# Altium PCB SEC_3002_DZ&HL.PcbDoc (part 5 of 7)
Units mm, origin at the board's own origin, x right, y up, seen from the top; angles counter-clockwise.
Board outline 200 x 170 mm, 2 copper layers (Top Layer, Bottom Layer); 589 components, 413 nets, 1696 pads, 1215 vias.
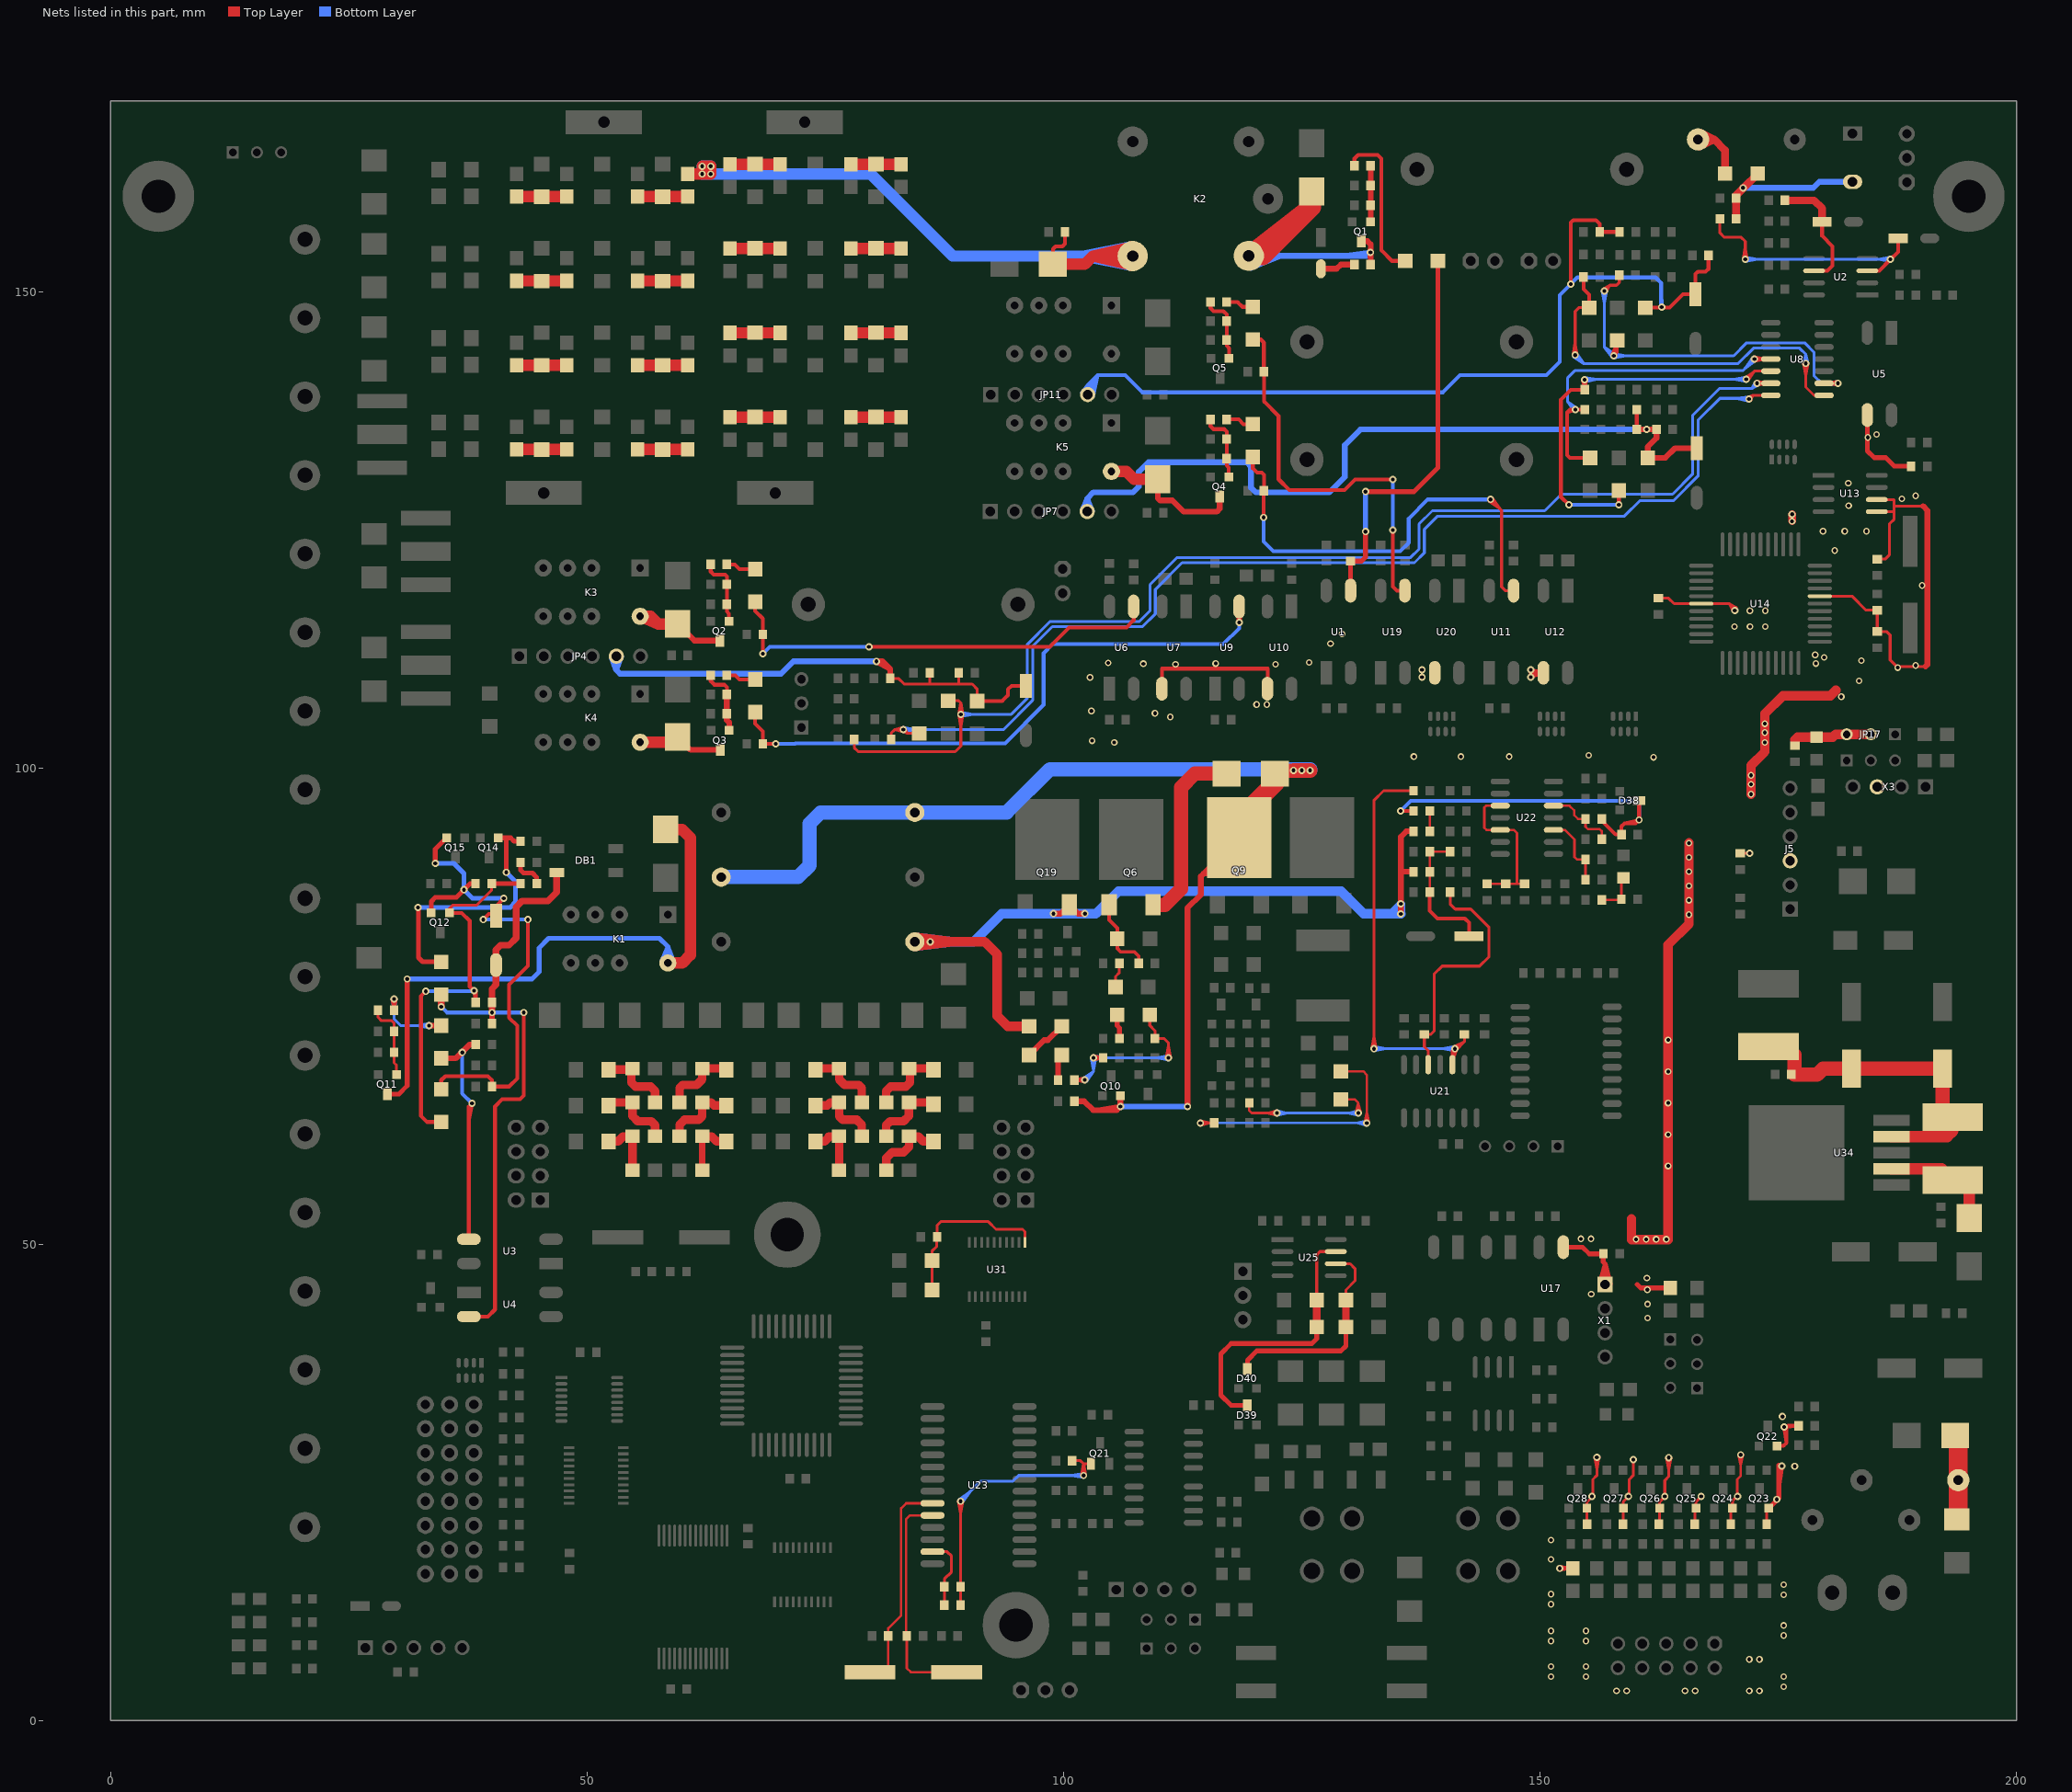
[diagram p5: the nets of this part, all layers, seen from the top]

## Via types
v1: diameter 0.762, hole 0.406, Top Layer to Bottom Layer, tented both sides, 786 vias
v2: diameter 0.7, hole 0.4, Top Layer to Bottom Layer, tented both sides, 375 vias
v3: diameter 1, hole 0.6, Top Layer to Bottom Layer, tented both sides, 41 vias
v4: diameter 0.9, hole 0.5, Top Layer to Bottom Layer, tented both sides, 4 vias
v5: diameter 0.8, hole 0.5, Top Layer to Bottom Layer, tented both sides, 4 vias
v6: diameter 1.016, hole 0.508, Top Layer to Bottom Layer, tented both sides, 3 vias
v7: diameter 0.9, hole 0.6, Top Layer to Bottom Layer, tented both sides, 1 vias
v8: diameter 0.762, hole 0.5, Top Layer to Bottom Layer, tented both sides, 1 vias

## Nets (pads, with @x,y where several pads share a name; then routed paths per layer and width w, separated by ;. In a path a pad name is that pad's centre, name@x,y a point inside that pad or via, vN(x,y) a via of type N, cw(c..) or ccw(c..) an arc to the next point about the centre after c; other vN are vias at no path point) (continued)
MCUGND: C19.2 C20.2 C22.2 C23.2 C24.2 C25.2 C28.2 C81.2 C82.2 J5.3 JP17.2 JP17.3 L26.1 L29.1 Q22.E Q23.E Q24.E Q25.E Q26.E Q27.E Q28.E R190.2 R191.2 R192.2 R193.2 R194.2 R195.2 R196.2 U5.3 U7.3 U10.3 U12.3 U13.5 U13.6 U14.6 U14.29 U17.3 U20.3 X1.1 X3.3 | length 248.8
  Top Layer w0.25: v1@170.697,23.556 170.697,25.3 171.056,25.659 v1(171.056,27.89) 171.056,26.759 ; v1@170.802,27.861 171.056,26.759 ; v1@171.311,27.861 171.056,26.759
  Top Layer w0.3: v1(152.074,15.968) L26.1@153.465,15.968 ; v1@152.095,15.738 153.355,15.968 v1@152.095,16.198 ; R196.2@154.916,20.632 Q28.E@154.916,22.266 154.916,22.913 155.548,23.545 155.548,25.304 155.962,25.718 v1(155.962,27.629) 155.962,26.348 ; v1@155.732,27.608 155.962,26.348 ; v1@156.193,27.608 155.962,26.348 ; R195.2@158.734,20.644 Q27.E@158.734,22.266 ; 158.734,22.919 Q27.E@158.734,22.266 ; v1(159.781,27.387) 159.781,25.718 159.367,25.304 159.367,23.603 158.734,22.97 Q27.E@158.734,22.266 ; C22.2@162.413,117.808 163.498,117.808 164.073,117.234 U14.6@166.919,117.234 169.849,117.234 ; R194.2@162.552,20.578 Q26.E@162.552,22.266 162.552,22.963 v1(163.093,23.504) 163.093,25.185 163.496,25.588 v1(163.496,27.588) 163.496,26.307 ; v1@163.266,27.567 163.496,26.307 ; v1@163.726,27.567 163.496,26.307 ; R193.2@166.244,20.613 Q25.E@166.244,22.139 ; Q25.E@166.371,22.266 166.371,22.963 v1(166.912,23.504) ; R192.2@170.014,20.613 Q24.E@170.014,22.091 ; Q24.E@170.189,22.266 170.189,23.048 v1@170.697,23.556 ; v1@170.255,116.504 169.849,117.234 ; v1@170.578,116.828 169.849,117.234 ; C25.2@170.998,91.034 v1(171.997,91.034) ; R191.2@173.784,20.613 Q23.E@173.784,22.043 ; U14.29@179.365,118.021 182.739,118.021 184.213,116.547 C19.2@185.392,116.547 C23.2@185.392,114.31 186.364,114.31 186.747,113.926 186.747,111.32 187.427,110.64 190.47,110.64 ; U13.5@185.344,126.892 187.126,126.892 ; U13.6@185.344,128.162 187.171,128.162 187.171,126.099 186.656,125.584 186.656,122.334 186.224,121.902 C20.2@185.392,121.902 ; 187.205,127.474 190.198,127.474 ; 169.849,117.234 170.439,116.643 169.849,117.234
  Top Layer w0.4: U7.3@110.319,108.309 110.319,110.412 121.412,110.412 U10.3@121.412,108.332 ; Q22.E@174.871,28.814 175.544,28.814 175.865,29.135 175.865,30.721 176.069,30.926 ; 175.865,29.162 v1(175.619,30.797) ; v1(149.019,109.527) U12.3@150.357,109.974 ; v1(149.019,109.527) 149.163,109.974 U12.3@150.357,109.974 ; v1(149.019,109.527) v1(149.019,110.282) U12.3@150.357,109.974 ; v1(175.619,30.797) 176.069,30.926 ; v1(175.619,30.797) R190.2@177.138,30.926 176.069,30.926 ; v1(175.619,30.797) 176.069,30.926
  Top Layer w0.5: U17.3@152.44,49.681 154.465,49.681 155.174,48.973 156.631,48.973 156.631,48.125 156.834,47.922 ; X1.1@156.288,45.838 156.834,47.922 ; X1.1@156.834,45.768 156.834,47.922 ; X1.1@157.379,45.838 156.834,47.922 ; 160.194,45.768 160.558,45.404 L29.1@163.664,45.404 ; Q23.E@174.007,22.266 175.073,23.332 v1@175.073,26.787 ; 175.073,24.76 v1(175.378,26.716) ; U5.3@184.354,137.032 184.354,133.273 185.069,132.558 186.277,132.558 187.176,131.658 C24.2@188.938,131.658
  Top Layer w0.6: 190.198,127.474 190.658,127.015 190.658,110.828 190.47,110.64
  Top Layer w0.8: v2(176.457,125.888) v1(176.457,126.618)
  Top Layer w1: 159.603,52.651 159.603,50.453 163.443,50.453 163.443,81.43 165.635,83.622 v2(165.635,92.103) ; v2(172.141,97.24) v2(172.141,98.277) v2(172.141,99.207) 172.141,100.244 173.593,101.696 v2(173.593,102.662) v2(173.593,103.699) v2(173.593,104.63) 173.593,105.67 175.483,107.559 180.461,107.559 181.041,108.14 ; 176.735,102.925 177.026,103.217 C82.2@179.039,103.217 180.715,103.217 181.019,103.521 ; 181.019,103.521 JP17.3@182.183,103.521 ; 181.019,103.521 JP17.3@182.183,103.521 ; JP17.3@182.183,103.521 JP17.2@184.723,103.521 JP17.3@182.183,103.521
  other v1: 174.852,23.204 155.457,23.504 159.275,23.504 170.73,23.504 176.739,26.679 175.444,31.898 137.616,109.527 137.616,110.282 170.439,116.519
  other v2: 158.034,3.109 159.093,3.109 165.224,3.109 166.284,3.109 171.968,3.109 173.028,3.109 175.583,3.535 151.161,4.595 154.815,4.595 175.583,4.595 151.161,5.654 154.815,5.654 171.968,6.407 173.028,6.407 151.161,8.338 154.815,8.338 175.583,8.913 151.161,9.398 154.815,9.398 175.583,9.972 151.161,12.201 175.583,13.191 151.161,13.26 175.583,14.251 151.161,16.895 151.161,18.935 161.297,42.24 161.297,43.704 155.372,44.749 161.257,45.206 161.218,46.432 160.072,50.51 161.131,50.51 162.191,50.51 163.251,50.51 154.28,50.558 155.34,50.558 163.443,58.2 163.443,61.506 163.443,64.812 163.443,68.118 163.443,71.423 165.635,84.594 165.635,86.095 165.635,87.597 165.635,89.099 165.635,90.601 161.909,101.104 136.758,101.183 141.701,101.184 146.763,101.183 155.107,101.302 105.32,102.661 102.983,102.84 111.19,105.336 109.586,105.722 102.911,105.968 120.252,106.643 121.335,106.65 181.619,107.468 183.488,109.124 102.767,109.491 187.534,110.516 189.432,110.753 111.755,110.857 122.245,110.871 108.375,110.929 115.957,110.951 178.953,110.951 104.672,111.001 125.764,111.069 183.736,111.251 179.823,111.584 178.873,111.86 128.007,113.031 129.225,114.041 170.411,114.826 172.032,114.826 173.654,114.826 172.031,116.488 173.654,116.488 190.104,119.137 180.93,122.815 179.704,124.831 181.978,124.831 184.252,124.831 182.393,127.52 187.969,128.232 189.432,128.549 182.354,129.893 184.41,134.678 185.319,134.994
NetC1_1: C1.1 D1.K K2.1C L27.2 | length 97.3
  Top Layer w0.4: D1.K@98.873,152.866 98.873,154.471 99.153,154.751 99.88,154.751 100.136,155.007 C1.1@100.136,156.244
  Top Layer w1.2: L27.2@60.553,162.34 v1(62.075,162.34) ; D1.K@98.873,152.866 102.201,152.866 103.06,153.724 ; K2.1C@107.133,152.744 103.06,153.724 ; K2.1C@107.133,154.705 103.06,153.724 ; v1(62.075,162.34) 62.075,163.143 v1(62.078,163.146) 62.96,163.146 62.963,163.143 v1(62.963,162.34) v1(62.075,162.34) ; 103.06,153.724 K2.1C@107.25,153.724 103.06,153.724
  Bottom Layer w1.2: K2.1C@107.156,152.741 102.062,153.724 ; K2.1C@107.156,154.707 102.062,153.724 ; v1(62.963,162.34) 62.966,162.343 v1(62.966,163.146) v1(62.078,163.146) 62.075,163.143 v1(62.075,162.34) v1(62.963,162.34) ; v1(62.963,162.34) 79.735,162.34 88.35,153.724 K2.1C@107.25,153.724 102.062,153.724
NetC2_2: C2.2 R1.2 | length 3.7
  Top Layer w0.6: C2.2@127.007,152.386 128.662,152.386 129.112,152.836 R1.2@130.522,152.836
NetC3_1: C3.1 Q1.B R4.2 R5.2 | length 5.9
  Top Layer w0.6: Q1.B@132.193,157.321 132.222,157.349 C3.1@132.222,159.038 R5.2@132.222,161.124 R4.2@132.222,163.211
NetC4_1: C4.1 R10.1 U2.3 | length 38.9
  Top Layer w0.3: R10.1@168.88,157.625 168.88,156.162 169.35,155.692 171.118,155.692 171.538,155.272 v1(171.538,153.378) ; v1@171.307,153.399 171.538,154.659 v1@171.768,153.399
  Top Layer w0.4: U2.3@184.352,152.177 185.603,152.177 ; C4.1@187.595,155.578 187.595,154.17 ; 185.603,152.177 187.595,154.17 ; 185.603,152.177 v1(186.779,153.393) 187.595,154.17
  Bottom Layer w0.3: v1@171.538,153.393 v1(186.779,153.393) 185.498,153.393 ; v1@171.558,153.148 172.819,153.378 v1@171.558,153.608 ; v1@186.759,153.162 185.498,153.393 ; v1@186.759,153.623 185.498,153.393
NetC5_1: C5.1 R14.2 U2.6 | length 12.9
  Top Layer w0.4: U2.6@178.764,152.177 180.158,152.177 180.696,152.715 180.696,154.745 179.608,155.833 C5.1@179.608,157.313
  Top Layer w0.8: R14.2@175.689,159.568 178.767,159.568 179.608,158.727 C5.1@179.608,157.313
NetC6_1: C6.1 C7.1 D6.K JP4.5 R18.1 R20.1 | length 60.4
  Top Layer w0.3: R18.1@81.804,109.385 82.661,109.385 83.26,108.786 85.88,108.786 ; R20.1@85.95,109.983 85.95,108.857 85.88,108.786 ; 88.991,108.841 C6.1@88.991,109.983 ; D6.K@90.938,107.006 90.938,108.253 90.404,108.786 85.88,108.786
  Top Layer w0.4: D6.K@90.938,107.006 93.551,107.006 94.16,107.615 94.16,108.242 94.532,108.615 C7.1@96.046,108.615
  Top Layer w0.6: R18.1@81.804,109.385 81.804,110.362 ; v1(80.343,111.174) 80.992,111.174 ; v1(80.343,111.174) 81.804,110.362 ; v1(80.343,111.174) 80.992,111.174 ; 80.992,111.174 81.804,110.362
  Bottom Layer w0.6: JP4.5@52.566,111.632 53.058,110.259 ; JP4.5@53.551,111.632 53.058,110.259 ; 78.162,111.174 v1(80.343,111.174) 71.639,111.174 70.349,109.884 53.433,109.884 53.058,110.259 ; 53.058,110.259 JP4.5@53.058,111.717 53.058,110.259
NetC9_1: C9.1 Q2.B R22.2 R23.2 | length 7.5
  Top Layer w0.4: R22.2@62.957,121.355 62.957,120.597 63.276,120.278 64.478,120.278 64.657,120.098 C9.1@64.657,119.266 R23.2@64.657,117.178 64.657,116.416 64.88,116.193 Q2.B@64.88,115.378
NetC10_1: C10.1 Q3.B R34.1 R36.1 | length 7.2
  Top Layer w0.4: R34.1@62.957,109.711 62.957,109.112 63.344,108.725 64.39,108.725 64.657,108.458 C10.1@64.657,107.704
  Top Layer w0.6: C10.1@64.657,107.704 R36.1@64.657,105.696 64.657,105.003 64.906,104.755 Q3.B@64.906,103.92
NetC11_1: C11.1 Q11.B R51.2 R52.2 | length 8.2
  Top Layer w0.3: R51.2@28.039,74.556 28.039,73.813 28.402,73.45 29.489,73.45 29.739,73.2 C11.1@29.739,72.346 R52.2@29.739,70.137 29.739,69.031 29.988,68.782 Q11.B@29.988,67.785
NetC12_2: C12.2 R56.2 | length 3.5
  Top Layer w0.5: C12.2@43.003,90.068 43.003,89.269 43.323,88.949 44.261,88.949 44.703,88.506 R56.2@44.703,87.843
NetC13_1: C13.1 C14.2 DB1.4 DZ1.A R62.2 U4.2 | length 74.6
  Top Layer w0.3: R62.2@40.01,73.168 R62.2@40.01,73.175
  Top Layer w0.4: U4.2@37.506,42.39 39.576,42.39 40.323,43.137 40.323,64.435 41.089,65.201 42.971,65.201 43.355,65.585 v1(43.355,74.315) 43.355,72.734
  Top Layer w0.6: R62.2@40.003,73.175 v1(40.003,74.315) R62.2@40.003,73.175
  Top Layer w0.7: v1(34.682,74.921) DZ1.A@34.682,76.2 ; v1(40.003,74.315) C13.1@40.01,75.377 ; v1@40.01,74.315 C13.1@40.01,75.377 ; DB1.4@46.8,89.023 46.8,86.92 45.905,86.025 43.179,86.025 42.54,85.387 42.54,82.12 41.805,81.385 40.913,81.385 40.432,80.904 C14.2@40.432,79.286 40.432,77.223 40.01,76.802 C13.1@40.01,75.377
  Bottom Layer w0.4: v1(34.682,74.921) 35.287,74.315 v1(40.003,74.315) ; 38.422,74.315 v1(40.003,74.315) ; 41.774,74.315 v1(43.355,74.315) v1(40.003,74.315)
NetC13_2: C13.2 D11.A Q12.B R55.2 R56.1 | length 45.6
  Top Layer w0.3: Q12.B@35.533,84.764 35.533,85.228 35.869,85.565 38.365,85.565 39.93,87.13 ; 39.978,87.13 R55.2@39.978,87.843
  Top Layer w0.4: D11.A@34.682,62.82 33.221,62.82 32.55,63.491 32.55,76.03 ; Q12.B@35.533,84.764 36.841,84.764 37.667,83.938 37.667,77.051 ; 32.55,76.03 v1(33.059,76.538) 32.55,76.03 ; 37.667,77.051 v1(38.118,76.6) ; 37.667,77.051 v1(38.118,76.6) ; v1(38.118,76.6) 38.31,76.408 C13.2@38.31,75.377 v1(38.118,76.6)
  Top Layer w0.5: R55.2@39.978,87.843 R56.1@43.003,87.843
  Bottom Layer w0.4: v1(33.059,76.538) 38.057,76.538 v1(38.118,76.6) 36.532,76.538
NetC14_1: C14.1 D11.K Q12.E Q15.E R54.1 R55.1 | length 59.1
  Top Layer w0.4: D11.K@34.682,66.249 34.682,67.213 35.112,67.643 39.579,67.643 40.01,67.213 R54.1@40.01,66.539 41.807,66.539 42.657,67.389 42.657,72.928 41.811,73.774 41.811,77.247 43.78,79.217 v1(43.78,84.069) ; v1(39.087,84.069) 39.674,84.655 C14.1@40.432,84.655 ; C14.1@40.432,84.486 C14.1@40.432,84.655 ; v1(41.245,86.311) 40.432,85.498 C14.1@40.432,84.655
  Top Layer w0.5: Q12.E@33.628,84.764 33.628,85.973 34.057,86.403 36.27,86.403 ; v1(34.059,89.978) 34.059,91.475 Q15.E@35.239,92.655 ; R55.1@38.278,87.843 37.71,87.843 v1(37.069,87.202) ; 36.27,86.403 v1(37.069,87.202) ; 36.27,86.403 v1(37.069,87.202)
  Bottom Layer w0.4: v1(39.087,84.069) v1(43.78,84.069)
  Bottom Layer w0.5: 35.94,89.978 v1(34.059,89.978) 35.992,89.978 37.069,88.901 v1(37.069,87.202) 37.96,86.311 v1(41.245,86.311)
NetC15_1: C15.1 C17.1 D16.K JP7.5 R40.1 R41.1 | length 89.8
  Top Layer w0.4: R40.1@160.156,135.529 C17.1@160.156,137.609
  Top Layer w0.6: 163.064,132.538 D16.K@161.303,132.538 161.303,133.701 162.219,134.617 R41.1@162.219,135.529 ; 163.161,132.538 164.172,133.55 C15.1@166.448,133.55 ; R41.1@162.219,135.529 R40.1@160.156,135.529 v1(161.182,135.518) R41.1@162.219,135.529
  Bottom Layer w0.6: JP7.5@101.986,126.992 102.478,128.275 ; JP7.5@102.478,126.901 102.478,128.275 ; JP7.5@102.969,126.992 102.478,128.275 ; 159.001,135.518 v1(161.182,135.518) 131.15,135.518 129.515,133.883 129.515,130.539 127.9,128.924 120.157,128.924 119.673,129.409 119.673,131.619 119.21,132.081 108.892,132.081 107.891,131.081 107.891,129.519 107.296,128.924 103.127,128.924 102.478,128.275
NetC18_1: C18.1 Q4.B R44.2 R45.2 | length 7.5
  Top Layer w0.4: R44.2@115.416,136.575 115.416,135.858 115.722,135.553 116.859,135.553 117.116,135.295 C18.1@117.116,134.516 R45.2@117.116,132.458 117.116,131.742 117.339,131.518 Q4.B@117.339,130.513
NetC29_1: C29.1 C31.1 D21.K JP11.5 R83.1 R84.1 | length 115.1
  Top Layer w0.4: v1(153.229,150.784) 153.229,157.229 153.496,157.497 155.864,157.497 156.269,157.092 C31.1@156.269,156.255 R83.1@158.345,156.255 ; D21.K@161.059,148.302 163.598,148.302 ; D21.K@161.182,148.302 v1(162.768,148.377) 163.598,148.302 ; R84.1@167.682,153.79 167.682,152.386 167.37,152.073 166.572,152.073 166.324,151.825 C29.1@166.324,149.721 165.017,149.721 163.598,148.302
  Bottom Layer w0.4: JP11.5@102.024,139.532 103.553,141.198 ; JP11.5@103.081,138.987 103.553,141.198 ; v1@162.716,148.428 162.716,150.894 162.133,151.478 153.922,151.478 v1(153.229,150.784) ; 162.716,149.961 v1(162.768,148.377) ; JP11.5@102.516,139.189 102.516,140.161 ; JP11.5@102.516,139.189 103.553,141.198 ; JP11.5@102.516,139.189 102.516,140.161 ; 102.516,140.161 103.563,141.208 106.456,141.208 108.247,139.417 139.801,139.417 141.592,141.208 150.659,141.208 152.064,142.613 152.064,149.62 ; 102.516,140.161 101.945,139.374 102.516,140.161 ; 102.516,140.161 103.086,139.374 102.516,140.161 ; 152.064,149.62 v1(153.229,150.784) ; 152.064,149.62 v1(153.229,150.784)
NetC32_1: C32.1 Q5.B R87.2 R88.2 | length 7.3
  Top Layer w0.4: R87.2@115.416,148.892 115.416,148.254 115.738,147.932 116.765,147.932 117.116,147.581 R88.2@117.116,146.909 C32.1@117.116,144.927 117.116,144.297 117.365,144.049 Q5.B@117.365,142.97
NetC34_1: C34.1 D33.K R112.2 R126.2 | length 39.3
  Top Layer w0.3: v1@102.206,67.002 R126.2@101.123,67.232 ; v1@102.206,67.462 R126.2@101.123,67.232 ; v1(103.132,69.552) C34.1@104.155,69.552 ; v1@103.158,69.322 C34.1@104.155,69.552 ; v1@103.158,69.781 C34.1@104.155,69.552 ; D33.K@109.047,74.071 109.047,72.954 109.59,72.411 R112.2@109.59,71.581 110.554,71.581 111.002,71.133 v1(111.002,69.552) ; v1@110.772,69.573 111.002,70.833 v1@111.232,69.573 ; R126.2@101.123,67.232 v1(102.23,67.232) R126.2@101.123,67.232
  Bottom Layer w0.3: v1@102.082,67.409 103.132,68.133 ; v1(102.23,67.232) 103.132,68.133 ; v1@102.408,67.084 103.132,68.133 ; v1@102.902,69.531 103.132,68.271 ; v1@103.152,69.322 104.413,69.552 v1@103.152,69.782 ; v1@103.362,69.531 103.132,68.271 ; v1@110.981,69.322 109.721,69.552 ; v1@110.981,69.782 109.721,69.552 ; 103.132,68.133 v1(103.132,69.552) ; 103.132,68.271 v1(103.132,69.552) ; v1(103.132,69.552) v1(111.002,69.552) 109.721,69.552
NetC35_1: C35.1 R124.2 U21.3 | length 62.6
  Top Layer w0.3: v1@132.33,70.527 132.56,71.787 v1@132.79,70.527 ; v1@132.56,70.506 132.56,96.557 133.593,97.591 R124.2@136.725,97.591 ; U21.3@140.8,68.842 v1@140.8,70.33 ; v1@140.828,70.53 U21.3@140.8,69.145 ; v1@140.937,70.703 142.07,71.263 ; v1@141.201,70.731 141.537,70.731 ; v1@141.213,70.335 142.07,71.263 ; v1@141.281,70.444 U21.3@140.8,69.145 ; C35.1@142.07,72.013 142.07,71.263 ; U21.3@140.8,69.145 v1(141.058,70.506) ; v1(141.058,70.506) 141.537,70.731 ; v1(141.058,70.506) 142.07,71.263 ; v1(141.058,70.506) 141.537,70.731 ; 141.537,70.731 142.07,71.263 ; 141.537,70.731 141.008,70.732 141.537,70.731 ; 141.537,70.731 141.199,70.324 141.537,70.731
  Bottom Layer w0.3: v1(132.56,70.506) v1(141.058,70.506) 139.777,70.506 ; v1@132.581,70.276 133.841,70.506 v1@132.581,70.736 ; v1@141.037,70.276 139.777,70.506 ; v1@141.037,70.736 139.777,70.506
NetC36_1: C36.1 R128.2 U21.5 | length 26.4
  Top Layer w0.3: U21.5@138.26,68.842 138.26,70.314 137.853,70.722 C36.1@137.853,72.013 138.538,72.013 138.882,72.357 138.882,78.337 139.726,79.181 143.652,79.181 144.647,80.176 144.647,83.239 142.716,85.17 141.098,85.17 140.568,85.699 R128.2@140.568,86.968
NetC37_2: C37.2 C38.1 R122.1 R129.2 R131.1 | length 14.4
  Top Layer w0.25: C37.2@138.425,86.968 R129.2@138.425,89.093 R122.1@138.425,91.217 R131.1@140.568,91.217
  Top Layer w0.4: C37.2@138.425,86.968 138.425,84.995 139.242,84.178 142.101,84.178 142.547,83.731 C38.1@142.547,82.323
NetC39_2: C39.2 L10.1 L11.2 | length 8
  Top Layer w0.9: L11.2@81.377,64.876 81.377,66.06 81.851,66.534 83.444,66.534 83.88,66.969 L10.1@83.88,68.316 ; L10.1@83.781,68.442 86.224,68.442 C39.2@86.351,68.316
NetC40_2: C40.2 L11.1 L12.2 | length 8
  Top Layer w0.9: L12.2@81.377,61.309 81.377,62.482 81.8,62.905 83.211,62.905 83.753,63.447 83.753,64.876 L11.1@83.781,64.876 86.138,64.876 C40.2@86.332,64.681
NetC41_2: C41.2 L9.1 L12.1 | length 8
  Top Layer w0.9: L9.1@81.405,57.743 81.405,59.04 82.007,59.642 83.2,59.642 83.781,60.223 L12.1@83.781,61.309 84.75,61.309 85.274,60.785 C41.2@86.332,60.785
NetC42_1: C42.1 L14.1 L15.2 | length 7.8
  Top Layer w0.9: C42.1@74.091,68.442 L14.1@76.443,68.442 76.443,67.299 77.023,66.718 78.488,66.718 78.819,66.387 L15.2@78.819,64.876
NetC43_1: C43.1 L15.1 L16.2 | length 8.1
  Top Layer w0.9: C43.1@73.905,64.55 75.196,64.55 75.522,64.876 L15.1@76.443,64.876 76.443,63.425 76.815,63.053 78.291,63.053 78.819,62.525 L16.2@78.819,61.309
NetC44_1: C44.1 L13.1 L16.1 | length 6.4
  Top Layer w0.9: C44.1@73.905,60.785 74.927,60.785 75.451,61.309 ; 75.373,61.309 L16.1@76.443,61.309 L13.1@76.443,57.743
NetC45_2: C45.2 L18.1 L19.2 | length 8.1
  Top Layer w0.9: C45.2@52.161,68.316 C45.2@52.239,68.316 L18.1@54.632,68.316 ; L18.1@54.758,68.442 L18.1@54.632,68.316 ; L19.2@57.134,64.876 57.134,66.06 56.661,66.534 55.067,66.534 54.632,66.969 L18.1@54.632,68.316
NetC46_2: C46.2 L19.1 L20.2 | length 8
  Top Layer w0.9: C46.2@52.239,64.55 52.564,64.876 L19.1@54.758,64.876 54.758,63.447 55.301,62.905 56.711,62.905 57.134,62.482 L20.2@57.134,61.309
NetC47_2: C47.2 L17.1 L20.1 | length 6.3
  Top Layer w0.9: C47.2@52.239,60.785 53.237,60.785 53.761,61.309 L20.1@54.758,61.309 L17.1@54.758,57.743
NetC48_1: C48.1 L22.1 L23.2 | length 7.9
  Top Layer w0.9: L23.2@59.693,64.876 59.693,66.387 60.023,66.718 61.488,66.718 62.069,67.299 L22.1@62.069,68.442 ; L22.1@61.991,68.442 C48.1@64.479,68.442
NetC49_1: C49.1 L23.1 L24.2 | length 8.1
  Top Layer w0.9: L24.2@59.693,61.309 59.693,62.525 60.22,63.053 61.696,63.053 62.069,63.425 L23.1@62.069,64.876 62.99,64.876 63.315,64.55 C49.1@64.606,64.55
NetC50_1: C50.1 L21.1 L24.1 | length 6.3
  Top Layer w0.7: L21.1@62.069,57.743 L24.1@62.069,61.309
  Top Layer w0.9: L24.1@62.069,61.309 63.06,61.309 63.584,60.785 C50.1@64.606,60.785
NetC51_1: C51.1 R140.2 | length 2.1
  Top Layer w0.25: R140.2@138.425,93.342 C51.1@138.425,95.466
NetC51_2: C51.2 D38.C R141.1 R144.1 | length 37.9
  Top Layer w0.4: v1(135.381,95.466) C51.2@136.725,95.466 ; R141.1@156.473,94.631 156.473,94.456 157.929,93 R144.1@158.552,93 158.552,93.858 158.871,94.177 ; D38.C@160.399,96.551 v1(160.399,94.527) ; 158.871,94.177 160.049,94.177 v1(160.399,94.527) ; 158.871,94.177 v1(160.399,94.527)
  Bottom Layer w0.4: v1(135.381,95.466) 136.434,96.519 159.924,96.519 160.399,96.043 v1(160.399,94.527)
NetC52_1: C52.1 R137.2 R138.2 U22.3 U22.5 | length 16.8
  Top Layer w0.25: R137.2@144.448,87.817 R138.2@146.406,87.817 147.258,87.817 C52.1@148.364,87.817 ; U22.3@145.826,96.025 144.332,96.025 144.158,95.851 144.158,93.709 144.381,93.485 U22.5@145.826,93.485 147.24,93.485 147.581,93.144 147.581,87.817
NetC53_2: C53.2 R139.2 U22.10 | length 7.8
  Top Layer w0.25: U22.10@151.414,93.485 152.606,93.485 153.617,92.474 153.617,90.635 153.87,90.382 C53.2@154.773,90.382 R139.2@154.773,88.258
NetC54_1: C54.1 R135.1 R142.1 | length 4.3
  Top Layer w0.25: R135.1@156.473,86.133 R142.1@158.465,86.133 ; R142.1@158.538,86.206 158.538,88.221 C54.1@158.774,88.458
NetC55_1: C55.1 L27.1 L31.2 | length 5.3
  Top Layer w1.2: L31.2@55.297,159.964 L27.1@60.553,159.964
NetC56_1: C56.1 R141.2 U22.12 | length 7.8
  Top Layer w0.25: U22.12@151.414,96.025 153.098,96.025 153.591,95.533 153.591,95.017 153.976,94.631 R141.2@154.773,94.631 154.773,93.811 155.02,93.565 156.263,93.565 156.473,93.355 C56.1@156.473,92.507
NetC59_1: C59.1 L45.1 L46.2 | length 5.3
  Top Layer w1.2: L46.2@42.603,159.964 L45.1@47.859,159.964
NetC60_1: C60.1 R150.2 U23.13 | length 7.7
  Top Layer w0.3: U23.13@86.24,17.715 87.777,17.715 88.23,17.262 88.23,15.587 87.485,14.842 R150.2@87.485,14.028 C60.1@87.485,12.095
NetC60_2: C60.2 Q21.1 R148.1 R150.1 | length 41.3
  Top Layer w0.3: v1@88.955,22.988 89.185,21.728 ; C60.2@89.185,12.095 R150.1@89.185,14.028 v1(89.185,23.009) 89.185,21.728 ; v1@89.415,22.988 89.185,21.728 ; R148.1@100.898,27.271 101.768,27.271 102.095,26.945 ; v1@101.865,25.737 102.095,26.945 ; v1(102.095,25.715) 102.095,26.945 ; v1@102.325,25.737 102.095,26.945 ; Q21.1@102.881,26.945 102.095,26.945
  Bottom Layer w0.3: v1@89.036,23.185 90.203,24.026 v1@89.361,22.859 ; v1(89.185,23.009) 91.301,25.125 94.688,25.125 95.278,25.715 v1(102.095,25.715) 100.814,25.715 ; v1@102.074,25.485 100.814,25.715 ; v1@102.074,25.945 100.814,25.715
NetC61_1: C61.1 L47.1 L48.2 | length 5.3
  Top Layer w1.2: L48.2@77.678,163.358 L47.1@82.934,163.358
NetC64_2: C64.2 U23.9 Y2.2 | length 21
  Top Layer w0.254: Y2.2@81.598,5.385 C64.2@81.598,8.862 81.598,9.687 82.948,11.037 82.948,22.273 83.47,22.795 U23.9@86.24,22.795
NetC65_2: C65.2 U23.10 Y2.1 | length 22.2
  Top Layer w0.254: U23.10@86.24,21.525 83.877,21.525 83.452,21.101 83.452,8.949 C65.2@83.539,8.862 83.539,5.476 83.953,5.062 Y2.1@86.943,5.062
NetC76_1: C76.1 C77.1 C80.1 L38.1 L39.2 U34.4 | length 33.1
  Top Layer w1.2: U34.4@186.88,61.294 192.723,61.294 193.313,61.884 L38.1@193.313,63.319
  Top Layer w1.5: L39.2@173.966,70.741 175.829,70.741 176.716,69.854 176.716,67.79 179.091,67.79 179.704,68.403 C76.1@182.682,68.403 C77.1@192.245,68.403 L38.1@192.245,64.387
NetC84_1: C84.1 L49.1 L50.2 | length 5.3
  Top Layer w1.2: L50.2@64.984,163.358 L49.1@70.24,163.358
NetC85_1: C85.1 L51.1 L52.2 | length 5.3
  Top Layer w1.2: L52.2@77.678,136.817 L51.1@82.934,136.817
NetC86_1: C86.1 L53.1 L54.2 | length 5.3
  Top Layer w1.2: L54.2@64.984,136.817 L53.1@70.24,136.817
NetC87_1: C87.1 L55.1 L56.2 | length 5.3
  Top Layer w1.2: L56.2@55.297,133.423 L55.1@60.553,133.423
NetC88_1: C88.1 L57.1 L58.2 | length 5.3
  Top Layer w1.2: L58.2@42.603,133.423 L57.1@47.859,133.423
NetC89_1: C89.1 L59.1 L60.2 | length 5.3
  Top Layer w1.2: L60.2@77.678,145.664 L59.1@82.934,145.664
NetC90_1: C90.1 L61.1 L62.2 | length 5.3
  Top Layer w1.2: L62.2@64.984,145.664 L61.1@70.24,145.664
NetC91_1: C91.1 L63.1 L64.2 | length 5.3
  Top Layer w1.2: L64.2@55.297,142.27 L63.1@60.553,142.27
NetC92_1: C92.1 L65.1 L66.2 | length 5.3
  Top Layer w1.2: L66.2@42.603,142.27 L65.1@47.859,142.27
NetC93_1: C93.1 L67.1 L68.2 | length 5.3
  Top Layer w1.2: L68.2@77.678,154.511 L67.1@82.934,154.511
NetC94_1: C94.1 L69.1 L70.2 | length 5.3
  Top Layer w1.2: L70.2@64.984,154.511 L69.1@70.24,154.511
NetC95_1: C95.1 L71.1 L72.2 | length 5.3
  Top Layer w1.2: L72.2@55.297,151.117 L71.1@60.553,151.117
NetC96_1: C96.1 L73.1 L74.2 | length 5.3
  Top Layer w1.2: L74.2@42.603,151.117 L73.1@47.859,151.117
NetD2_A: D2.A K2.3 Q1.C R1.1 | length 53
  Top Layer w0.6: Q1.C@131.241,155.289 131.894,155.289 132.222,154.961 ; 132.222,154.961 R1.1@132.222,152.836 v1(132.206,154.099) 132.222,154.961
  Top Layer w2: 126.008,158.876 K2.3@119.442,153.75 120.882,153.75 126.026,158.894 D2.A@126.026,160.497
  Bottom Layer w0.6: K2.3@119.442,153.75 131.856,153.75 v1(132.206,154.099) 129.716,153.75 ; K2.3@119.512,153.066 122.829,153.75 ; K2.3@119.512,154.434 122.829,153.75 ; K2.3@119.686,152.486 122.829,153.75 ; K2.3@119.686,155.014 122.829,153.75
NetD3_A: D3.A R6.1 U1.3 | length 45.8
  Top Layer w0.5: U1.3@130.117,118.602 R6.1@130.117,121.696 131.272,121.696 131.685,122.109 v1(131.685,124.797) 131.685,122.916 ; v1(131.685,128.997) 136.78,128.997 139.273,131.491 D3.A@139.273,153.216
  Bottom Layer w0.5: v1(131.685,124.797) v1(131.685,128.997) 131.685,127.116
NetD3_K: D3.K R4.1 | length 16.5
  Top Layer w0.4: R4.1@130.522,163.211 130.522,163.941 130.91,164.329 132.965,164.329 133.331,163.964 133.331,154.331 134.445,153.216 D3.K@135.844,153.216
NetD4_A: D4.A JP2.2 R7.1 R10.2 | length 20.7
  Top Layer w0.8: R10.2@170.58,157.625 R7.1@170.58,159.805 R7.1@170.58,160.112 ; R7.1@170.58,160.112 D4.A@172.847,162.38 v1(171.309,160.88) R7.1@170.58,160.112
  Bottom Layer w0.6: v1(171.309,160.88) 178.679,160.88 179.307,161.509 JP2.2@182.804,161.509
NetD4_K: D4.K L1.1 | length 9.2
  Top Layer w0.8: L1.1@166.575,165.96 168.293,165.96 ; L1.1@166.747,165.211 168.293,165.96 ; L1.1@166.747,166.709 168.293,165.96 ; D4.K@169.418,162.38 169.418,164.835 168.293,165.96
NetD5_1: D5.A K3.12 Q2.C | length 12.6
  Top Layer w0.6: D5.A@59.494,115.105 61.253,113.346 Q2.C@63.928,113.346
  Top Layer w1.2: D5.A@59.494,115.105 57.453,115.105 ; K3.12@55.553,115.9 56.657,115.9 ; K3.12@55.553,115.9 57.453,115.105 ; K3.12@55.553,115.9 56.657,115.9 ; 56.657,115.9 57.453,115.105
NetD7_A: D7.A R24.1 U6.3 | length 49.2
  Top Layer w0.4: D7.A@67.632,117.424 67.632,116.48 68.444,115.668 R24.1@68.444,114.002 v1(68.444,111.974) ; v1(79.567,112.692) 98.533,112.692 100.58,114.739 106.608,114.739 107.352,115.482 U6.3@107.352,116.937
  Bottom Layer w0.4: v1(68.444,111.974) 69.162,112.692 v1(79.567,112.692) 77.986,112.692
NetD7_K: D7.K R22.1 | length 3.2
  Top Layer w0.4: R22.1@64.657,121.355 65.48,121.355 65.982,120.853 D7.K@67.632,120.853
NetD8_K: D8.K R30.1 U8.6 | length 141.6
  Top Layer w0.3: R30.1@78.028,102.966 78.028,102.114 78.446,101.697 88.626,101.697 89.21,102.28 v1(89.21,105.621) ; D8.K@87.873,107.039 88.985,107.039 89.21,106.815 ; v1@88.98,105.6 89.21,104.34 ; v1@88.98,105.643 89.21,106.815 ; v1@89.44,105.6 89.21,104.34 ; v1@89.439,105.643 89.21,106.815 ; v1(172.785,140.37) U8.6@174.223,140.37 ; v1@172.806,140.14 174.066,140.37 v1@172.806,140.6 ; 89.21,104.34 v1(89.21,105.621) ; v1(89.21,105.621) 89.21,106.815
  Bottom Layer w0.3: v1(89.21,105.621) 94.51,105.621 96.201,107.312 96.201,112.971 98.598,115.368 107.955,115.368 109.071,116.484 109.071,119.232 111.915,122.076 136.416,122.076 137.304,122.964 137.304,125.594 138.695,126.986 150.49,126.986 152.227,128.723 163.903,128.723 166.035,130.855 166.035,137.024 168.827,139.817 172.232,139.817 ; v1@89.23,105.391 90.491,105.621 v1@89.23,105.851 ; v1@172.6,140.507 172.232,139.817 ; v1@172.923,140.184 172.232,139.817 ; 172.232,139.817 v1(172.785,140.37) 172.232,139.817
NetD9_A: D9.A K1.12 Q11.C | length 69.6
  Top Layer w0.5: Q11.C@29.035,65.753 30.232,65.753 31.109,66.631 v1(31.109,77.836) 31.109,75.955
  Top Layer w1.2: D9.A@58.235,93.531 59.96,93.531 60.828,92.664 60.828,80.352 59.983,79.508 K1.12@58.463,79.508
  Bottom Layer w0.5: v1(31.109,77.836) 44.203,77.836 44.959,78.592 44.959,81.101 45.958,82.1 57.589,82.1 58.463,81.226 ; K1.12@57.823,79.632 58.463,81.226 ; K1.12@58.463,79.508 58.463,81.226 ; K1.12@59.103,79.632 58.463,81.226
NetD10_A: D10.A R53.1 U3.3 | length 31.2
  Top Layer w0.4: U3.3@37.58,50.512 37.58,64.452 v1(37.914,64.786) 37.58,63.086
  Top Layer w0.6: D10.A@34.682,69.51 36.203,69.51 ; R53.1@38.31,70.958 37.651,70.958 ; 36.203,69.51 37.651,70.958 ; 36.203,69.51 v1(36.889,70.119) 37.651,70.958
  Bottom Layer w0.4: 36.889,68.538 v1(36.889,70.119) 36.889,65.812 ; 36.889,65.812 v1(37.914,64.786) 36.889,65.812
NetD10_K: D10.K R51.1 | length 22.3
  Top Layer w0.3: v1@29.509,75.716 R51.1@29.739,74.556 ; v1@29.969,75.716 R51.1@29.739,74.556 ; v1(33.398,72.939) D10.K@34.682,72.939 ; v1@33.419,72.709 34.679,72.939 v1@33.419,73.169 ; R51.1@29.739,74.556 v1(29.739,75.738) R51.1@29.739,74.556
  Bottom Layer w0.3: v1@29.509,75.718 29.739,74.457 ; v1@29.969,75.718 29.739,74.457 ; v1@33.377,72.709 32.117,72.939 ; v1@33.377,73.169 32.117,72.939 ; 29.739,74.457 v1(29.739,75.738) 29.739,73.626 30.426,72.939 v1(33.398,72.939) 32.117,72.939
NetD12_A: D12.A R28.1 U8.7 | length 131.3
  Top Layer w0.3: R28.1@81.893,102.966 81.893,103.645 82.252,104.004 ; v1@83.054,103.808 83.592,103.61 ; v1@83.147,103.775 82.252,104.004 ; v1@83.147,104.233 82.252,104.004 ; v1@83.176,103.897 83.306,103.897 83.592,103.61 ; v1@83.365,104.136 83.592,103.61 ; D12.A@84.851,103.61 83.592,103.61 ; v1@171.804,138.9 172.323,139.1 ; v1(171.93,138.707) 172.323,139.1 ; v1@172.124,138.581 172.323,139.1 ; U8.7@174.223,139.1 172.323,139.1 ; 82.252,104.004 v1(83.176,104.004) ; 82.252,104.004 v1(83.176,104.004) ; v1(83.176,104.004) 83.592,103.61
  Bottom Layer w0.3: v1@83.147,103.897 v1@83.176,103.897 ; v1(83.176,104.004) 93.671,104.004 96.751,107.084 96.751,112.743 98.825,114.818 108.276,114.818 109.621,116.163 109.621,118.713 112.435,121.526 136.823,121.526 137.854,122.557 137.854,125.025 139.246,126.417 158.854,126.417 160.47,128.032 163.99,128.032 166.585,130.627 166.585,136.489 168.879,138.783 171.853,138.783 v1(171.93,138.707) 170.642,138.783 ; v1@83.197,103.774 84.457,104.004 v1@83.197,104.234 ; v1@171.896,138.478 170.642,138.783 ; v1@171.923,138.938 170.642,138.783
NetD13_A: D13.A K4.12 Q3.C | length 8.4
  Top Layer w0.6: D13.A@59.494,103.24 60.846,101.888 Q3.C@63.953,101.888
  Top Layer w1.2: K4.12@55.553,102.684 D13.A@58.938,102.684
NetD14_A: D14.A R35.1 U9.3 | length 66.1
  Top Layer w0.4: D14.A@67.632,105.842 67.632,104.64 68.444,103.829 R35.1@68.444,102.523 ; R35.1@68.444,102.523 v1(69.795,102.523) R35.1@68.444,102.523
  Top Layer w0.6: v1(118.421,115.267) U9.3@118.421,116.937
  Bottom Layer w0.4: v1(69.795,102.523) 71.824,102.523 71.863,102.562 93.855,102.562 97.901,106.608 97.901,112.036 98.844,112.979 116.756,112.979 118.421,114.644 ; 118.421,114.644 v1(118.421,115.267) 118.421,114.644
NetD14_K: D14.K R34.2 | length 3.2
  Top Layer w0.4: R34.2@64.657,109.711 65.539,109.711 65.98,109.271 D14.K@67.632,109.271
NetD15_1: D15.A K5.12 Q4.C | length 15.7
  Top Layer w0.6: D15.A@109.882,130.295 109.882,128.313 110.123,128.072 111.421,128.072 111.703,127.791 112.608,126.885 116.071,126.885 116.387,127.2 Q4.C@116.387,128.481
  Top Layer w1.2: K5.12@105.018,131.12 106.567,131.12 107.391,130.295 D15.A@109.882,130.295
NetD17_A: D17.A R46.1 U11.3 | length 54.8
  Top Layer w0.3: v1@144.661,127.998 145.828,127.157 v1@144.986,128.324 ; v1(144.811,128.174) 145.968,127.017 145.968,118.99 146.356,118.602 U11.3@147.222,118.602
  Top Layer w0.4: D17.A@119.861,132.644 119.861,131.43 120.302,130.99 120.789,130.99 121.023,130.757 R46.1@121.023,129.091 120.983,129.052 v1(120.983,126.288)
  Bottom Layer w0.4: 120.983,124.707 v1(120.983,126.288) 120.983,123.766 122.004,122.745 135.333,122.745 136.221,123.633 136.221,126.181 138.215,128.174 v1(144.811,128.174) 143.23,128.174
NetD17_K: D17.K R44.1 | length 3
  Top Layer w0.4: R44.1@117.116,136.575 118.372,136.575 118.875,136.073 D17.K@119.861,136.073
NetD18_K: D18.K R66.1 U8.4 | length 47.3
  Top Layer w0.3: v1(172.499,142.91) U8.4@174.223,142.91 ; v1@172.52,142.68 173.78,142.91 v1@172.52,143.14
  Top Layer w0.4: R66.1@154.694,137.609 v1(153.72,137.609) ; D18.K@155.245,132.538 153.115,132.538 152.834,132.82 152.834,137.302 ; 152.834,137.302 153.14,137.609 ; 152.834,137.302 v1(153.72,137.609) ; 153.14,137.609 v1(153.72,137.609) ; 153.14,137.609 v1(153.72,137.609) ; 153.14,137.609 v1(153.72,137.609)
  Bottom Layer w0.3: v1@153.541,137.462 152.901,138.428 ; v1@153.866,137.787 152.901,138.428 ; v1@172.324,143.06 171.482,141.893 ; v1@172.649,142.734 171.482,141.893 ; 152.901,138.428 152.901,140.941 153.654,141.694 171.284,141.694 v1(172.499,142.91) 171.482,141.893 ; 152.901,138.428 v1(153.72,137.609) 152.901,138.428
NetD19_A: D19.A R64.1 U8.5 | length 58.1
  Top Layer w0.3: v1@154.451,140.724 R64.1@154.694,139.688 ; v1(154.68,140.752) R64.1@154.694,139.688 ; v1@154.694,140.752 R64.1@154.694,139.688 ; v1@154.91,140.73 R64.1@154.694,139.688 ; v1@171.496,140.953 172.509,141.64 ; v1(171.644,140.775) 172.509,141.64 ; v1@171.822,140.628 172.509,141.64 ; U8.5@174.223,141.64 172.509,141.64
  Top Layer w0.4: R64.1@154.694,139.688 153.235,139.688 152.184,138.636 152.184,128.455 ; v1(158.274,127.612) D19.A@158.274,129.109 ; 152.184,128.455 v1(153.027,127.612) 152.184,128.455
  Bottom Layer w0.3: v1@154.697,140.983 155.962,140.775 ; v1@154.703,140.752 v1(154.68,140.752) 155.962,140.775 ; v1@154.703,140.775 v1(171.644,140.775) 170.363,140.775 ; v1@154.705,140.523 155.962,140.775 ; v1@171.623,140.545 170.363,140.775 ; v1@171.623,141.005 170.363,140.775
  Bottom Layer w0.4: v1(153.027,127.612) v1(158.274,127.612) 156.693,127.612
NetD22_A: D22.A R89.1 U19.3 | length 46.7
  Top Layer w0.4: D22.A@119.857,144.961 120.687,144.961 121.018,144.63 R89.1@121.018,141.459 ; R89.1@121.023,141.581 121.023,138.452 122.556,136.919 122.556,130.293 123.694,129.155 129.475,129.155 130.583,130.263 v1(134.55,130.263) 132.969,130.263 ; 134.55,123.373 v1(134.55,124.954) 134.55,119.024 134.972,118.602 U19.3@135.819,118.602
  Bottom Layer w0.4: v1(134.55,124.954) v1(134.55,130.263) 134.55,128.682
NetD22_K: D22.K R87.1 | length 2.9
  Top Layer w0.4: R87.1@117.116,148.892 118.258,148.892 118.76,148.39 D22.K@119.857,148.39
NetD23_K: D23.K R95.1 U8.8 | length 51.9
  Top Layer w0.3: v1@153.452,143.351 153.682,144.611 v1@153.912,143.351 ; v1(153.682,143.33) 153.682,147.922 154.062,148.302 D23.K@155.151,148.302 ; v1@177.654,142.436 177.884,141.176 ; v1@178.114,142.436 177.884,141.176 ; U8.8@179.811,139.1 178.755,139.1 177.884,139.971 v1(177.884,142.457) 177.884,141.176
  Top Layer w0.4: R95.1@154.569,151.516 154.569,150.243 155.151,149.66 D23.K@155.151,148.302
  Bottom Layer w0.3: v1@153.533,143.152 154.6,142.411 ; v1(153.682,143.33) 154.6,142.411 ; v1@153.859,143.478 154.6,142.411 ; v1@177.654,142.485 177.884,143.415 ; v1(177.884,142.457) 177.884,143.415 ; v1@178.113,142.485 177.884,143.415 ; 154.6,142.411 170.745,142.411 172.395,144.061 177.238,144.061 177.884,143.415
NetD30_A: D30.A R93.1 U8.9 | length 65.4
  Top Layer w0.3: v1@156.606,150.237 157.313,150.652 ; v1@156.938,149.923 157.313,150.652 ; v1@157.52,143.323 D30.A@158.105,144.619 ; v1@157.965,143.204 D30.A@158.105,144.619 ; D30.A@158.105,144.873 158.105,143.613 v1(157.737,143.245) D30.A@158.105,144.619 ; R93.1@158.32,151.712 158.32,150.954 158.018,150.652 157.313,150.652 ; U8.9@179.811,140.37 v1(181.259,140.37) U8.9@179.978,140.37 ; v1@181.238,140.14 U8.9@179.978,140.37 ; v1@181.238,140.6 U8.9@179.978,140.37 ; 157.313,150.652 156.75,150.089 v1(156.75,150.056) 157.313,150.652
  Bottom Layer w0.3: v1@156.52,150.036 156.75,148.775 ; v1@156.98,150.036 156.75,148.775 ; v1@157.565,143.092 156.75,144.18 ; v1@157.758,143.015 159.018,143.245 v1@157.758,143.475 ; v1@157.881,143.426 156.75,144.18 ; v1@181.238,140.14 179.978,140.37 ; v1@181.238,140.6 179.978,140.37 ; 156.75,144.18 157.685,143.245 v1(157.737,143.245) ; 156.75,144.18 v1(156.75,150.056) 156.75,148.775 ; 156.75,144.18 v1(157.737,143.245) ; v1(157.737,143.245) 170.323,143.245 171.689,144.611 177.764,144.611 178.745,143.63 178.745,141.176 179.551,140.37 v1(181.259,140.37) 179.978,140.37
NetD31_A: D31.A Q6.E | length 19.7
  Top Layer w1.5: Q6.E@109.377,85.617 110.647,85.617 112.345,87.315 112.345,97.959 113.769,99.383 D31.A@117.099,99.383
NetD31_K: D31.K Q9.D Q10.E R101.1 R105.1 R106.1 | length 215.2
  Top Layer w0.6: R106.1@101.123,65.006 102.164,65.006 103.103,64.066 105.584,64.066 ; 103.661,64.066 v1(105.966,64.448) ; Q10.E@105.966,65.588 v1(105.966,64.448) ; v1(113.005,64.429) 113.005,85.293 114.397,86.685 114.397,88.608 114.685,88.897 ; Q9.D@115.356,88.897 114.685,88.897 ; Q9.D@118.449,92.66 114.685,88.897 ; 105.584,64.066 v1(105.966,64.448) ; 105.584,64.066 v1(105.966,64.448) ; 105.584,64.066 v1(105.966,64.448)
  Top Layer w1.5: D31.K@122.217,99.704 v1@125.89,99.704 ; D31.K@122.217,99.704 v1(124.132,99.737) ; D31.K@122.217,99.704 v1(124.999,99.737) ; D31.K@122.217,99.704 v1(124.999,99.737) ; D31.K@122.217,99.704 v1(125.866,99.737) ; D31.K@122.217,99.704 v1(125.866,99.737) ; D31.K@122.217,99.704 v1(125.866,99.737) ; v1(124.132,99.737) v1@125.89,99.704 ; v1(124.132,99.737) v1(124.999,99.737) ; v1(124.132,99.737) v1(124.999,99.737) ; v1(124.132,99.737) v1(125.866,99.737) ; v1(124.132,99.737) v1(125.866,99.737) ; v1(124.132,99.737) v1(125.866,99.737) ; v1(124.999,99.737) v1@125.89,99.704 ; v1(124.999,99.737) v1@125.89,99.704 ; v1(124.999,99.737) v1(125.866,99.737) ; v1(124.999,99.737) v1(125.866,99.737) ; v1(124.999,99.737) v1(125.866,99.737) ; v1(124.999,99.737) v1(125.866,99.737) ; v1(124.999,99.737) v1(125.866,99.737) ; v1(124.999,99.737) v1(125.866,99.737)
  Top Layer w2: Q9.D@118.449,92.66 118.449,94.661 D31.K@122.179,98.391
  Bottom Layer w0.6: v1(105.966,64.448) v1@112.986,64.448 ; 110.824,64.448 v1(113.005,64.429)
  Bottom Layer w1.5: R105.1@64.067,88.525 72.119,88.525 73.35,89.756 73.35,94.154 74.51,95.314 R101.1@84.387,95.314 ; 78.887,95.314 R101.1@84.387,95.314 ; 119.232,99.86 v1(124.132,99.737) ; 120.011,99.84 v1(124.999,99.737) ; 120.099,99.86 v1(124.999,99.737) ; 120.879,99.822 v1(125.866,99.737) ; 120.878,99.84 v1(125.866,99.737) ; 120.966,99.86 v1(125.866,99.737) ; R101.1@84.387,95.314 94.023,95.314 98.57,99.86 v1@125.866,99.86 ; v1(124.132,99.737) v1@125.866,99.86 ; v1(124.132,99.737) v1(124.999,99.737) ; v1(124.132,99.737) v1(124.999,99.737) ; v1(124.132,99.737) v1(125.866,99.737) ; v1(124.132,99.737) v1(125.866,99.737) ; v1(124.132,99.737) v1(125.866,99.737) ; v1(124.999,99.737) v1@125.866,99.86 ; v1(124.999,99.737) v1@125.866,99.86 ; v1(124.999,99.737) v1(125.866,99.737) ; v1(124.999,99.737) v1(125.866,99.737) ; v1(124.999,99.737) v1(125.866,99.737) ; v1(124.999,99.737) v1(125.866,99.737) ; v1(124.999,99.737) v1(125.866,99.737) ; v1(124.999,99.737) v1(125.866,99.737)
NetD32_K: D32.K R100.2 | length 34.7
  Top Layer w0.25: v1(114.354,62.715) R100.2@115.803,62.715 ; v1@114.383,62.461 115.485,62.715 v1@114.383,62.969 ; D32.K@129.108,68.14 131.44,68.14 131.82,67.761 v1(131.82,62.715) ; v1@131.565,62.744 131.82,63.846 v1@132.074,62.744
  Bottom Layer w0.25: v1(114.354,62.715) v1(131.82,62.715) 130.689,62.715 ; v1@131.791,62.461 130.689,62.715 ; v1@131.791,62.969 130.689,62.715
NetD33_A: D33.A R108.1 | length 2.6
  Top Layer w0.5: D33.A@105.618,74.071 105.618,72.935 105.855,72.698 R108.1@105.855,71.581
NetD34_K: D34.K R115.1 | length 26.6
  Top Layer w0.25: R115.1@119.487,64.831 119.487,64.018 119.742,63.763 v1(122.402,63.763) 121.271,63.763 ; v1@122.373,63.509 121.271,63.763 ; v1@122.373,64.018 121.271,63.763 ; D34.K@129.108,65.186 130.581,65.186 130.926,64.841 ; v1@130.672,63.794 130.926,64.841 ; v1(130.926,63.763) 130.926,64.841 ; v1@131.18,63.794 130.926,64.841
  Bottom Layer w0.25: v1(122.402,63.763) v1(130.926,63.763) 129.795,63.763 ; v1@122.431,63.509 123.533,63.763 v1@122.431,64.018 ; v1@130.897,63.509 129.795,63.763 ; v1@130.897,64.018 129.795,63.763
NetD35_K: D35.K R119.1 | length 2.7
  Top Layer w0.3: D35.K@105.447,76.996 105.447,78.101 105.855,78.509 R119.1@105.855,79.478
NetD36_A: D36.A D37.K | length 4.7
  Top Layer w0.6: D36.A@96.38,69.841 97.948,71.408 98.348,71.408 D37.K@99.809,72.87
NetD36_K: D36.K R126.1 | length 2.8
  Top Layer w0.6: R126.1@99.423,67.232 99.423,69.454 D36.K@99.809,69.841
NetD37_A: D37.A Q19.S R129.1 R140.1 R143.1 | length 131.7
  Top Layer w0.6: v1(98.941,84.694) 99.663,84.694 Q19.S@100.587,85.617 101.51,84.694 ; R129.1@136.567,89.093 135.387,89.093 ; R140.1@136.725,93.342 135.966,93.342 135.387,92.763 135.387,89.093 ; 101.51,84.694 v1(102.232,84.694) 101.51,84.694 ; v1(135.387,85.71) 135.387,89.093 ; v1(135.387,85.71) v1(135.387,84.658) v1(135.387,85.71)
  Top Layer w1: R143.1@84.418,81.237 88.387,81.736 R143.1@84.418,82.235 ; R143.1@84.465,81.243 v1(85.989,81.736) ; R143.1@84.465,82.23 v1(85.989,81.736) ; D37.A@96.38,72.87 94.112,72.87 93.021,73.961 93.021,80.417 91.702,81.736 R143.1@84.387,81.736 v1(85.989,81.736)
  Bottom Layer w0.6: v1@135.351,84.694 v1(135.387,84.658)
  Bottom Layer w0.9: 134.37,84.694 v1(135.387,85.71) ; 134.37,84.694 v1(135.387,84.658) ; 134.37,84.694 v1(135.387,85.71) ; v1(135.387,84.658) v1(135.387,85.71) ; v1(135.387,84.658) v1(135.387,85.71) ; v1(135.387,84.658) v1(135.387,85.71) ; v1(135.387,84.658) v1(135.387,85.71)
  Bottom Layer w1: R143.1@84.418,81.237 88.387,81.736 R143.1@84.418,82.235 ; R143.1@84.465,81.243 v1(85.989,81.736) ; R143.1@84.465,82.23 v1(85.989,81.736) ; 95.56,84.694 v1(98.941,84.694) ; v1@135.351,84.694 134.37,84.694 ; v1(135.387,84.658) 134.37,84.694 ; v1(85.989,81.736) R143.1@84.387,81.736 90.542,81.736 93.499,84.694 v1(98.941,84.694) ; v1(98.941,84.694) v1(102.232,84.694) ; v1(98.941,84.694) v1(102.232,84.694) ; v1(102.232,84.694) 103.382,84.694 105.743,87.055 129.143,87.055 131.504,84.694 134.37,84.694
NetD39_C: D39.C R149.1 R151.1 U25.7 | length 29.2
  Top Layer w0.3: R151.1@126.567,44.133 126.567,48.887 126.893,49.213 U25.7@128.562,49.213
  Top Layer w0.5: D39.C@119.292,33.065 117.585,33.065 116.512,34.139 116.512,38.49 117.589,39.568 126.051,39.568 126.567,40.084 R149.1@126.567,41.293
  Top Layer w0.8: R149.1@126.567,41.293 R151.1@126.567,44.133
NetD40_C: D40.C R153.1 R155.1 U25.6 | length 22.6
  Top Layer w0.3: U25.6@128.562,47.943 130.072,47.943 130.581,47.433 130.581,46.147 129.626,45.191 R155.1@129.626,44.133
  Top Layer w0.5: D40.C@119.292,36.891 119.292,37.812 120.263,38.783 129.113,38.783 129.626,39.296 R153.1@129.626,41.293
  Top Layer w0.8: R153.1@129.626,41.293 R155.1@129.626,44.133
NetD44_K: D44.K D45.K R175.2 U31.11 | length 17.8
  Top Layer w0.3: D45.K@86.183,45.188 D44.K@86.183,48.285 86.183,49.258 86.695,49.769 R175.2@86.695,50.647 ; R175.2@86.722,50.768 86.722,51.975 87.107,52.36 92.097,52.36 92.897,51.56 95.695,51.56 95.949,51.306 U31.11@95.949,50.179
NetD46_A: D46.A D47.K L37.2 | length 12.2
  Top Layer w2: D46.A@193.898,29.58 L37.2@193.898,25.217 ; L37.2@193.898,25.217 193.898,21.28 L37.2@193.898,25.217
NetD49_K: D49.K L38.2 U34.2 | length 11
  Top Layer w1.2: U34.2@186.88,57.894 192.133,57.894 L38.2@193.313,56.715 ; D49.K@195.043,52.74 L38.2@195.043,56.782
NetDZ1_K: DZ1.K Q14.B R61.1 | length 28
  Top Layer w0.5: v1@32.275,85.347 32.275,80.075 32.721,79.629 DZ1.K@34.682,79.629 ; Q14.B@40.663,92.655 41.513,92.655 ; v1(41.513,89.034) 41.513,92.655 ; R61.1@43.003,92.294 42.332,92.294 41.971,92.655 41.513,92.655
  Bottom Layer w0.5: v1(32.242,85.347) 41.921,85.347 42.482,85.908 42.482,88.065 v1(41.513,89.034)
NetDZ2_A: DZ2.A Q6.B R98.2 | length 8.3
  Top Layer w0.381: Q6.B@104.777,85.617 104.777,84.018 105.63,83.166 DZ2.A@105.63,82.066 105.63,81.039 105.987,80.682 107.441,80.682 107.89,80.232 R98.2@107.89,79.478